# Allegro board reComputer J401_V1.0.brd (continued)
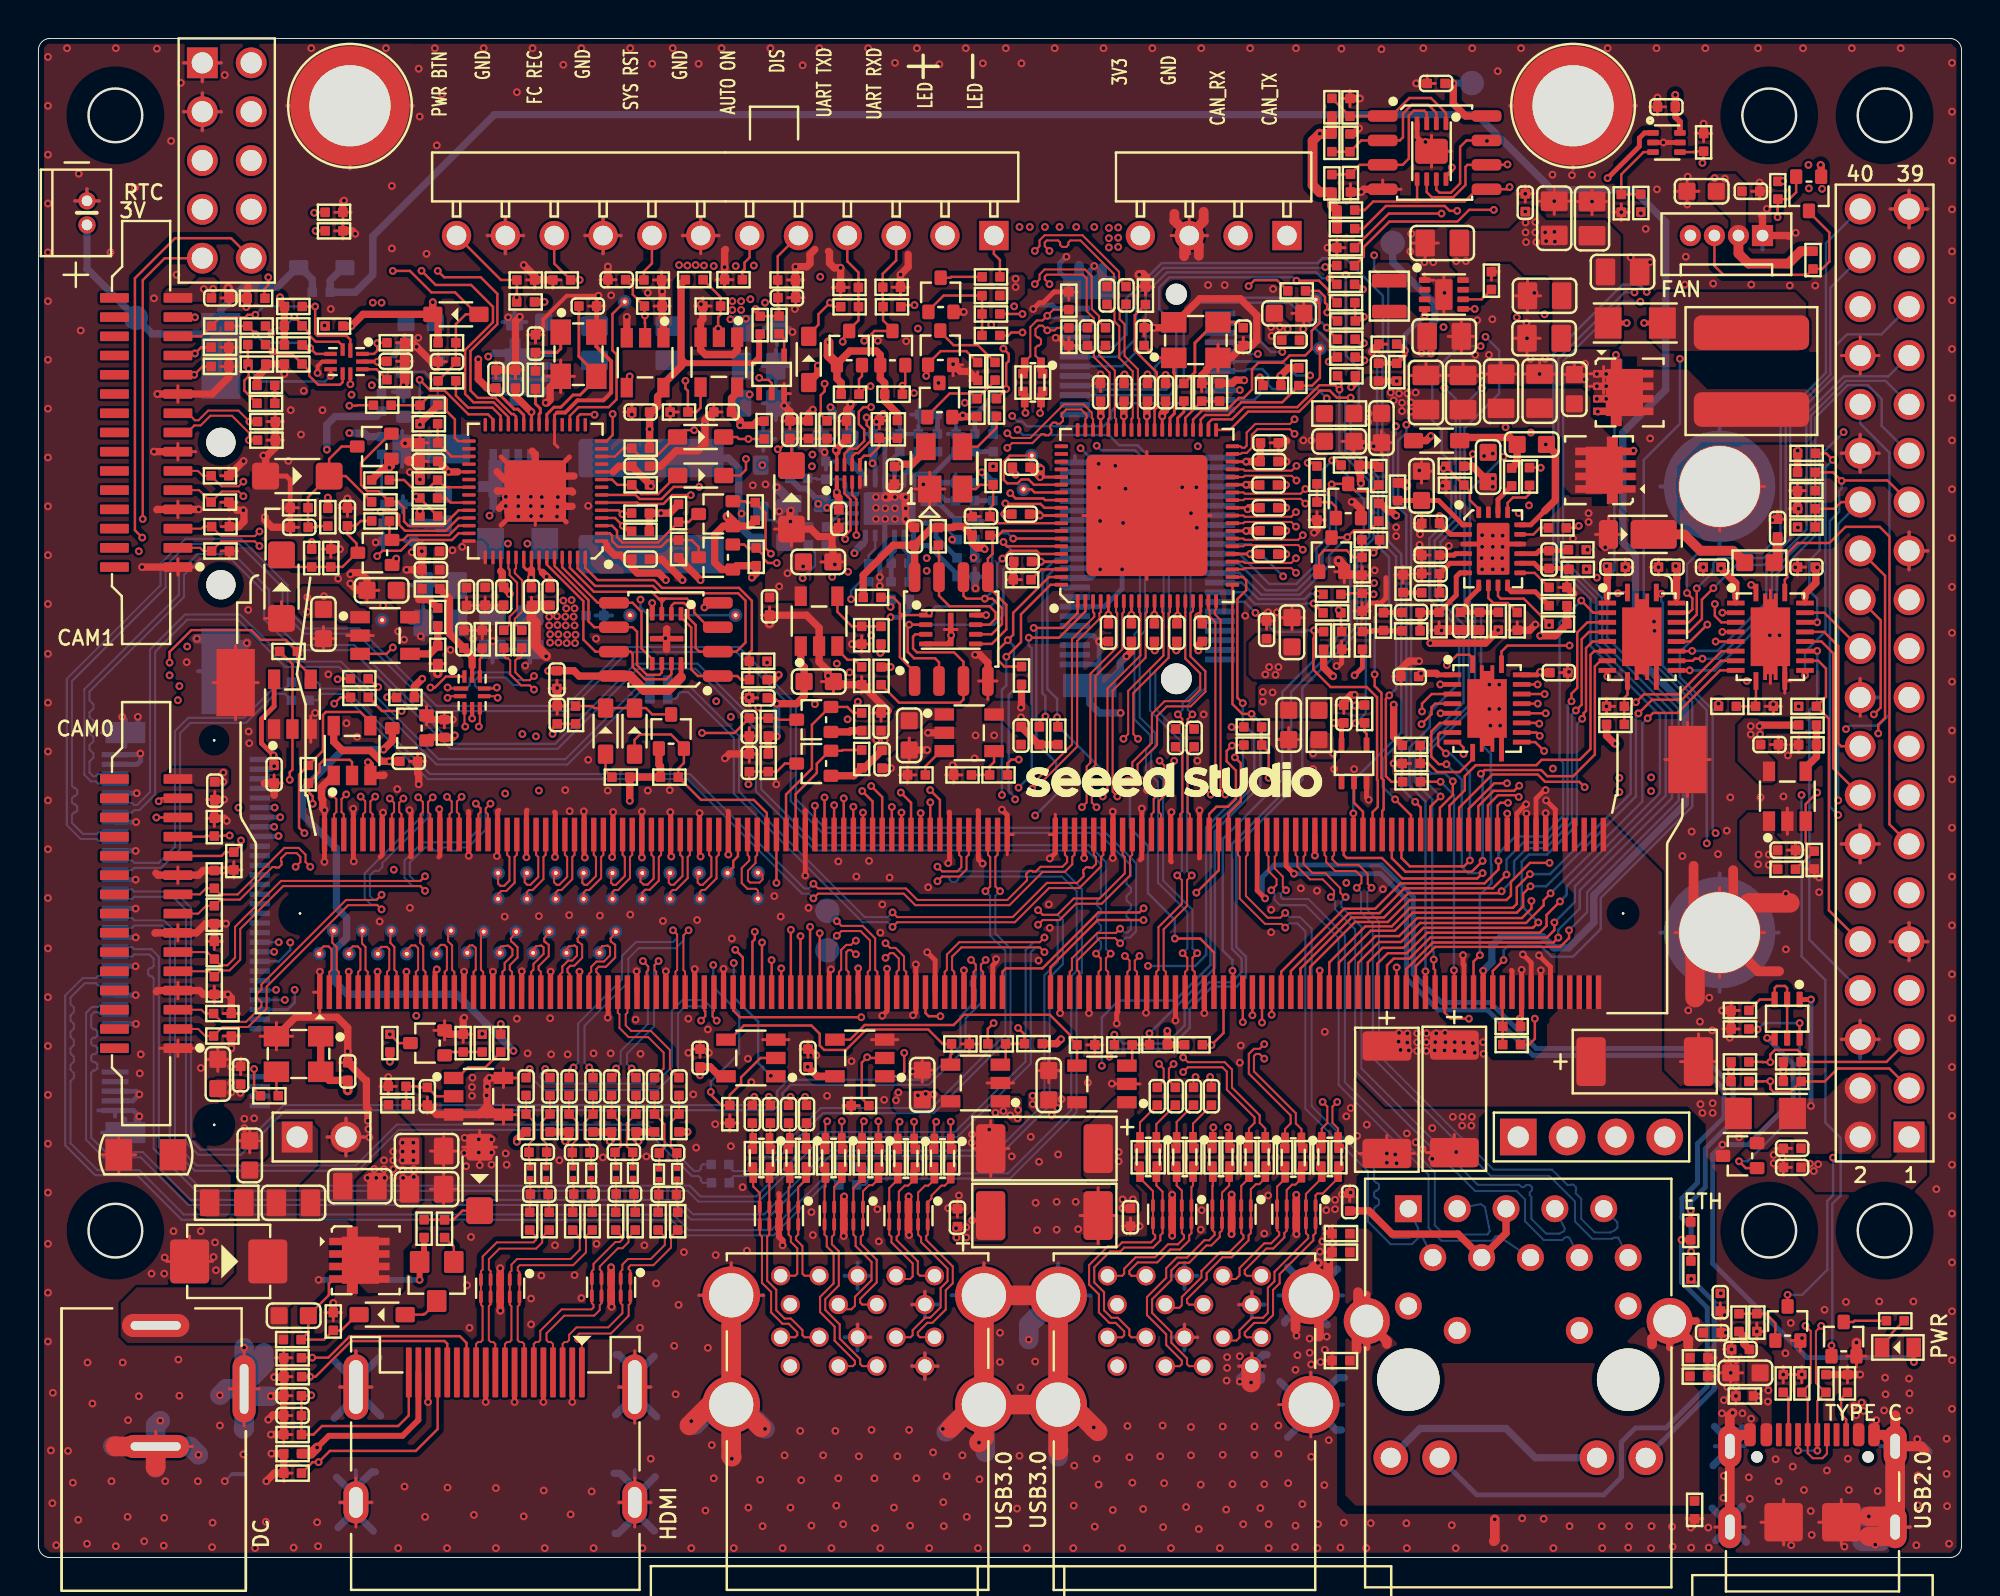
[diagram p0: board, top side]
## Routing (per net, layer and track width the routed paths; a pad name or vN(x,y) marks a point on that pad's centre or on a via; arc(x,y) is an arc through that point) (continued)
HDMI_HPD_CON: length 36.8
  TOP w0.127: v1(14.19,8.44) 14.16,8.41 C4.1 C2.1 D4.2 14.3,6.4 14.74,6.84 18.71,6.84 19.26,7.39 J5.19
  LAY3 w0.127: v1(14.19,8.44) 14.67,8.92 14.67,10.85 13.5,12.02 13.5,14.25 14.16,14.92 18.58,14.92 21.63,17.96 21.63,25.76 23.08,27.21 v1(23.08,27.24)
HDMI_TX0_N: length 14.6
  TOP w0.102: v1(27.83,25.49) 27.69,25.49 27.59,25.39 C52.1 ; v1(32.99,32.62) 33.21,32.4 33.21,30.55 33.12,30.47 J11.75
  BOTTOM w0.102: v1(27.83,25.49) 28.07,25.73 28.07,27.79 30.34,30.06 30.34,31.28 31.07,32.01 33,32.01 33.21,32.22 33.21,32.4 v1(32.99,32.62)
HDMI_TX0_P: length 14.6
  TOP w0.102: v1(28.64,25.49) 28.74,25.49 28.84,25.39 C53.1 ; J11.77 33.63,30.47 33.54,30.55 33.54,32.35 v1(33.81,32.62)
  BOTTOM w0.102: v1(33.81,32.62) 33.54,32.35 33.54,32.08 33.14,31.69 31.21,31.69 30.67,31.15 30.67,29.93 28.39,27.65 28.39,25.73 v1(28.64,25.49)
HDMI_TX1_N: length 8.8
  TOP w0.102: v1(31.43,31.02) 31.71,30.74 31.71,30.55 31.62,30.47 J11.69 ; v1(30.03,25.43) 30.03,25.08 29.92,24.96 C57.1
  BOTTOM w0.102: v1(30.03,25.43) 30.28,25.68 30.28,26.34 31.69,27.75 31.69,30.77 v1(31.43,31.02)
HDMI_TX1_P: length 8.7
  TOP w0.102: C56.1 30.99,24.96 30.85,25.1 v1(30.85,25.43) ; J11.71 32.12,30.47 32.04,30.55 32.04,30.81 v1(32.24,31.02)
  BOTTOM w0.102: v1(30.85,25.43) 30.6,25.68 30.6,26.2 32.01,27.61 32.01,30.79 v1(32.24,31.02)
HDMI_TX2_N: length 6.2
  TOP w0.102: J11.63 30.12,28.33 30.21,28.25 30.21,27.54 30.69,27.06 31.71,27.06 32.51,26.26 32.51,25.43 C54.1
HDMI_TX2_P: length 6.2
  TOP w0.102: J11.65 30.62,28.33 30.54,28.25 30.54,27.67 30.82,27.39 31.84,27.39 32.83,26.4 32.83,25.43 C55.1
HDMI_TXC_CON_LC_N: length 4.1
  TOP w0.102: L20.1 25.57,20.59 25.5,20.65 C36.2 25.5,21.51 25.8,21.81 25.8,22.61 R58.2 C51.2
HDMI_TXC_CON_LC_P: length 4.1
  TOP w0.102: C50.2 R57.2 26.58,23.06 26.13,22.61 26.13,21.81 26.43,21.51 C36.1 26.43,20.65 26.4,20.63 L19.1
HDMI_TXC_CON_N: length 10.1
  TOP w0.102: J5.12 22.76,11.1 22.86,11.21 22.99,11.21 23.09,11.31 23.09,13.07 23.01,13.15 U1.6 U1.5 23.01,14.89 23.1,14.98 23.1,15.65 23.83,16.39 25.74,16.39 25.87,16.52 25.87,16.7 R16.2
HDMI_TXC_CON_P: length 10.1
  TOP w0.102: R15.2 26.19,16.66 26.19,16.38 25.88,16.07 23.97,16.07 23.42,15.52 23.42,14.98 23.51,14.89 U1.4 U1.7 23.51,13.17 23.42,13.08 23.42,11.31 23.52,11.21 23.66,11.21 23.76,11.1 J5.10
HDMI_TXC_CON_R_N: length 1.8
  TOP w0.102: L20.2 25.57,19.34 25.58,19.32 C16.2 25.58,18.42 25.54,18.38 R16.1
HDMI_TXC_CON_R_P: length 1.8
  TOP w0.102: L19.2 26.4,19 C16.1 26.51,18.44 26.56,18.38 R15.1
HDMI_TXC_N: length 16.2
  TOP w0.102: v1(34.45,27.92) 34.67,28.14 34.67,28.39 34.63,28.44 J11.81 ; v1(25.54,25.41) 25.54,25.14 C51.1
  BOTTOM w0.102: v1(34.45,27.92) 34.7,28.17 34.7,28.44 34.48,28.66 33.62,28.66 33.26,28.3 33.26,25.38 32.2,24.32 26.27,24.32 25.78,24.81 25.78,25.16 v1(25.54,25.41)
HDMI_TXC_P: length 16.2
  TOP w0.102: J11.83 35.12,28.44 35.06,28.38 35.06,28.13 v1(35.27,27.92) ; v1(26.35,25.41) 26.35,25.21 C50.1
  BOTTOM w0.102: v1(26.35,25.41) 26.11,25.16 26.11,24.94 26.4,24.65 32.07,24.65 32.94,25.51 32.94,28.43 33.49,28.99 34.61,28.99 35.02,28.58 35.02,28.17 v1(35.27,27.92)
HDMI_TXD0_CON_LC_N: length 4.1
  TOP w0.102: L21.1 27.8,20.59 27.76,20.63 C34.2 27.76,21.49 28.06,21.79 28.06,22.61 27.61,23.06 R59.2 C52.2
HDMI_TXD0_CON_LC_P: length 4.1
  TOP w0.102: C53.2 R60.2 28.83,23.06 28.38,22.61 28.38,21.79 28.68,21.49 C34.1 28.74,21 L22.1
HDMI_TXD0_CON_N: length 10.9
  TOP w0.102: R17.2 28.15,16.66 28.15,16 27.67,15.53 24.89,15.53 24.6,15.23 24.6,14.92 24.51,14.83 U1.2 U1.9 24.51,13.15 24.59,13.07 24.59,11.31 24.49,11.21 24.36,11.21 24.26,11.1 J5.9
HDMI_TXD0_CON_P: length 10.9
  TOP w0.102: R18.2 28.47,16.71 28.47,15.87 27.81,15.2 25.02,15.2 24.92,15.1 24.92,14.93 25.01,14.84 U1.1 U1.10 25.01,13.14 24.92,13.05 24.92,11.31 25.02,11.21 25.16,11.21 25.26,11.1 J5.7
HDMI_TXD0_CON_R_N: length 1.8
  TOP w0.102: R17.1 27.78,18.42 27.83,18.48 C17.2 27.83,19.36 27.8,19.39 L21.2
HDMI_TXD0_CON_R_P: length 1.8
  TOP w0.102: R18.1 28.79,18.44 28.76,18.48 C17.1 28.76,19.37 28.74,19.39 L22.2
HDMI_TXD1_CON_LC_N: length 4.1
  TOP w0.102: L18.1 30.04,20.58 29.98,20.64 C33.2 30.27,21.36 30.27,22.6 R64.2 C57.2
HDMI_TXD1_CON_LC_P: length 4.1
  TOP w0.102: L17.1 30.91,20.59 30.9,20.59 C33.1 30.59,21.38 30.59,22.58 R63.2 C56.2
HDMI_TXD1_CON_N: length 10.6
  TOP w0.102: R22.2 30.36,16.68 30.36,16.54 30.23,16.41 30,16.41 28.86,15.27 28.86,14.98 28.78,14.89 U2.5 U2.6 28.78,13.23 28.86,13.14 28.86,13.01 28.76,12.91 27.21,12.91 26.09,11.79 26.09,11.31 25.99,11.21 25.86,11.21 25.76,11.1 J5.6
HDMI_TXD1_CON_P: length 10.6
  TOP w0.102: R21.2 31.03,17 30.68,16.66 30.68,16.4 30.37,16.09 30.14,16.09 29.19,15.14 29.19,14.98 29.28,14.89 U2.4 U2.7 29.28,13.22 29.19,13.13 29.19,12.87 28.9,12.58 27.34,12.58 26.42,11.66 26.42,11.31 26.52,11.21 26.66,11.21 26.76,11.1 J5.4
HDMI_TXD1_CON_R_N: length 1.8
  TOP w0.102: L18.2 30.04,19.34 30.04,19.33 C15.2 30.04,18.41 30.01,18.38 R22.1
HDMI_TXD1_CON_R_P: length 1.8
  TOP w0.102: R21.1 31.03,18.38 30.97,18.45 C15.1 30.97,19.33 30.91,19.39 L17.2
HDMI_TXD2_CON_LC_N: length 4.2
  TOP w0.102: L23.1 32.27,20.53 32.28,20.54 C35.2 32.55,21.32 32.55,21.73 32.55,21.74 32.55,22.55 R61.2 C54.2
HDMI_TXD2_CON_LC_P: length 4.1
  TOP w0.102: C35.1 33.2,20.56 33.21,20.56 L24.1 ; C35.1 33.18,21.04 ; C35.1 32.88,21.36 32.88,21.84 32.88,21.84 32.88,22.63 R62.2 C55.2
HDMI_TXD2_CON_N: length 11.6
  TOP w0.102: J5.3 27.26,11.1 27.36,11.21 27.49,11.21 27.59,11.31 27.59,11.59 27.98,11.97 29.63,11.97 30.37,12.71 30.37,13.14 30.28,13.23 U2.9 U2.2 30.28,14.88 30.36,14.97 30.36,15.23 30.66,15.53 31.84,15.53 32.57,16.26 32.57,16.68 R19.2
HDMI_TXD2_CON_P: length 11.6
  TOP w0.102: R20.2 32.89,16.68 32.89,16.12 31.98,15.2 30.79,15.2 30.69,15.1 30.69,15 30.78,14.91 U2.1 U2.10 30.78,13.22 30.69,13.13 30.69,12.57 29.76,11.65 28.11,11.65 27.92,11.45 27.92,11.31 28.02,11.21 28.16,11.21 28.26,11.1 J5.1
HDMI_TXD2_CON_R_N: length 1.7
  TOP w0.102: R19.1 32.22,18.38 32.25,18.41 C18.2 32.25,19.31 32.27,19.33 L23.2
HDMI_TXD2_CON_R_P: length 1.8
  TOP w0.102: L24.2 33.21,19.34 33.18,19.31 C18.1 33.18,18.44 33.24,18.38 R20.1
HUB_HSD1_N: length 37.6
  TOP w0.107: v1(42.92,22.69) 42.83,22.6 L10.4 42.78,21.66 R28.1 ; v1(56.1,39.58) 55.86,39.82 55.86,45.08 57.57,46.8 57.57,49.1 57.64,49.17 U28.10
  LAY3 w0.084: v1(56.1,39.58) 55.84,39.84 55.84,40.32 55.59,40.57 54.24,40.57 53.62,39.95 53.62,38.43 50.58,35.38 50.58,31.27 43.16,23.85 43.16,22.93 v1(42.92,22.69)
HUB_HSD1_P: length 37.5
  TOP w0.107: v1(55.34,39.58) 55.59,39.82 55.59,45.19 57.3,46.91 57.3,49.1 57.24,49.17 U28.9 ; v1(43.68,22.69) L10.1 43.72,21.66 R40.1
  LAY3 w0.084: v1(55.34,39.58) 55.6,39.84 55.6,40.23 55.49,40.33 55.07,40.33 54.99,40.25 54.99,40.17 54.9,40.09 54.74,40.09 54.65,40.17 54.65,40.25 54.57,40.33 54.34,40.33 53.86,39.86 53.86,38.33 50.81,35.28 50.81,31.17 44.98,25.34 44.98,25.22 44.99,25.22 44.99,25.1 44.87,24.98 44.75,24.98 44.74,24.99 44.63,24.99 44.51,24.87 44.51,24.75 44.52,24.74 44.52,24.62 44.4,24.5 44.28,24.5 44.27,24.51 44.15,24.51 43.4,23.76 43.4,22.97 v1(43.68,22.69)
HUB_HSD2_N: length 44.6
  TOP w0.107: v1(41.02,22.69) 40.92,22.6 L9.4 40.88,21.66 R27.1 ; U28.19 61.24,49.32 61.17,49.25 61.17,49.06 61.47,48.76 61.47,39.93 v1(61.71,39.68)
  LAY3 w0.084: v1(41.02,22.69) 41.28,22.95 41.28,23.39 47.5,29.62 47.5,33.76 52.86,39.12 52.86,40.49 53.64,41.26 57.48,41.26 58.02,40.73 61.12,40.73 61.45,40.39 61.45,39.94 v1(61.71,39.68)
HUB_HSD2_P: length 44.6
  TOP w0.107: U28.18 60.84,49.34 60.9,49.28 60.9,48.95 61.2,48.65 61.2,39.93 v1(60.96,39.68) ; v1(41.77,22.69) L9.1 41.82,21.66 R39.1
  LAY3 w0.084: v1(60.96,39.68) 61.22,39.94 61.22,40.3 61.02,40.49 60.67,40.49 60.59,40.41 60.59,40.38 60.5,40.29 60.34,40.29 60.25,40.38 60.25,40.41 60.17,40.49 60,40.49 59.92,40.41 59.92,40.38 59.83,40.29 59.66,40.29 59.58,40.38 59.58,40.41 59.5,40.49 57.92,40.49 57.39,41.03 53.73,41.03 53.1,40.39 53.1,39.02 47.74,33.66 47.74,29.52 42.09,23.87 42.09,23.76 42.16,23.68 42.16,23.56 42.04,23.45 41.92,23.45 41.85,23.52 41.73,23.52 41.51,23.3 41.51,22.95 v1(41.77,22.69)
HUB_HSD3_N: length 41.1
  TOP w0.107: v1(59.52,25.25) 59.77,25.49 61.57,25.49 61.8,25.27 61.8,24.33 63.24,22.89 63.24,22.6 62.95,22.31 L15.4 62.95,21.32 R46.1 ; U28.23 62.66,51.79 62.73,51.73 65.15,51.73 v1(65.39,51.97)
  LAY3 w0.084: v1(59.52,25.25) 59.78,25.51 60.04,25.51 60.27,25.74 60.27,26.95 60.06,27.16 60.06,29.88 60.92,30.74 60.92,35.24 65.9,40.22 65.9,50.14 66.36,50.6 66.36,51.32 65.98,51.7 65.66,51.7 v1(65.39,51.97)
HUB_HSD3_P: length 41
  TOP w0.107: v1(59.52,26.01) 59.77,25.76 61.68,25.76 62.06,25.38 62.06,24.44 63.5,23 63.5,22.6 63.79,22.31 L15.1 63.79,21.33 R52.1 ; U28.22 62.66,51.39 62.73,51.46 65.15,51.46 v1(65.39,51.21)
  LAY3 w0.084: v1(59.52,26.01) 59.78,25.75 59.94,25.75 60.03,25.84 60.03,26.85 59.82,27.06 59.82,29.98 60.69,30.84 60.69,35.34 65.66,40.31 65.66,42.41 65.52,42.56 65.52,42.75 65.66,42.89 65.66,43.08 65.52,43.23 65.52,43.42 65.66,43.56 65.66,50.24 66.12,50.7 66.12,51.22 65.88,51.46 65.64,51.46 v1(65.39,51.21)
HUB_HSD4_N: length 57.2
  TOP w0.107: v1(65.32,59.19) 65.07,58.95 63.27,58.95 62.83,58.5 62.83,57.82 62.72,57.72 62.57,57.72 62.5,57.79 U28.38 ; v1(61.09,22.37) 61.09,22.34 61.07,22.31 L14.4 61.07,21.32 R45.1
  LAY3 w0.084: v1(65.32,59.19) 65.58,58.93 66.76,58.93 71.22,54.48 71.22,46.02 72.53,44.71 72.53,32.19 73.21,31.51 73.21,30.61 69.11,26.51 69.11,23.1 66.75,20.74 62.1,20.74 61.32,21.52 61.32,22.15 v1(61.09,22.37)
HUB_HSD4_P: length 57.1
  TOP w0.107: v1(65.32,58.44) 65.07,58.68 63.39,58.68 63.1,58.39 63.1,57.71 62.83,57.45 62.58,57.45 62.52,57.39 U28.37 ; v1(61.85,22.37) 61.92,22.31 L14.1 61.92,21.33 R51.1
  LAY3 w0.084: v1(61.85,22.37) 61.56,22.08 61.56,21.62 62.2,20.98 62.48,20.98 62.56,21.06 62.56,21.16 62.64,21.24 62.81,21.24 62.9,21.16 62.9,21.06 62.98,20.98 66.65,20.98 68.87,23.2 68.87,26.61 72.97,30.71 72.97,31.41 72.29,32.09 72.29,44.61 70.98,45.93 70.98,54.38 68.18,57.18 68.07,57.18 68.03,57.15 67.92,57.15 67.8,57.27 67.8,57.39 67.83,57.42 67.83,57.54 67.71,57.65 67.59,57.65 67.56,57.62 67.44,57.62 67.32,57.74 67.32,57.86 67.35,57.89 67.35,58.01 67.23,58.13 67.12,58.13 67.08,58.1 66.97,58.1 66.85,58.22 66.85,58.33 66.88,58.37 66.88,58.49 66.67,58.7 65.58,58.7 v1(65.32,58.44)
HUB_RESET: length 7.3
  TOP w0.127: U31.2 48.74,55.57 48.96,55.79 R151.2 49.64,54.74 49.48,54.58 C113.1 49.82,53.79 U28.68
HUB_REXT: length 7.3
  TOP w0.127: U28.47 58.04,59.68 58.15,59.8 58.15,61.63 57.01,62.77 57.01,64.61 R225.1
HUB_SPI_CLK: length 12.8
  TOP w0.127: U28.70 v1(50.69,52.99) ; U25.6 49.57,48.01 50.1,48.55 50.1,49.37 49.61,49.87 v1(49.21,49.87) 48.25,49.87 48.1,50.02 U26.6 48.15,51.03
  BOTTOM w0.127: v1(50.69,52.99) 50.41,53.27 49.97,53.27 49.59,52.89 49.59,50.25 v1(49.21,49.87)
HUB_SPI_CS: length 16.4
  TOP w0.127: U28.72 52.07,52.19 51.91,52.36 50.53,52.36 v1(50.13,51.95) ; 44.79,48.88 44.79,49.13 ; 44.79,48.88 44.93,49.01 ; 44.79,48.88 44.79,46.83 45.56,46.06 U26.1 ; 44.79,49.13 44.79,49.59 44.45,49.93 R127.2 ; 44.79,49.13 44.91,49.01 44.93,49.01 ; 44.93,49.01 U25.1
  BOTTOM w0.127: v1(46.32,49.13) 46.65,49.46 49.49,49.46 49.85,49.82 49.85,51.67 v1(50.13,51.95)
HUB_SPI_HOLD: length 7.4
  TOP w0.127: U25.7 49.46,48.51 49.77,48.83 49.77,49.15 49.45,49.47 47.38,49.47 46.83,50.02 U26.7 46.83,52.17 46.79,52.2 R134.2
HUB_SPI_SI: length 11.2
  TOP w0.127: U28.69 50.15,53.39 49.92,53.16 R135.2 49.62,53.02 49.62,52.2 49.37,51.95 U26.5 49.37,50.51 50.33,49.55 50.33,48.27 49.57,47.51 U25.5
HUB_SPI_SO: length 17.5
  TOP w0.127: U26.2 46.83,46.56 46.62,46.77 45.53,46.77 45.2,47.1 45.2,48.44 v1(45.27,48.51) U25.2 ; v1(50.18,52.81) 50.18,52.76 50.35,52.59 U28.71
  BOTTOM w0.127: v1(50.18,52.81) 50.61,52.38 50.61,51.82 50.18,51.39 50.18,49 49.69,48.51 v1(45.27,48.51)
HUB_SPI_WP: length 10.9
  TOP w0.127: U25.3 45.6,48.01 45.48,47.89 45.48,47.28 45.68,47.07 47.61,47.07 48.1,46.59 U26.3 48.1,44.62 47.94,44.46 44.75,44.46 R113.2
HUB_SSRX1_N: length 33.4
  TOP w0.107: v1(55.02,39.02) 54.77,39.27 54.77,41.03 54.97,41.22 54.97,45.84 56.36,47.24 56.36,49.1 56.44,49.17 U28.7 ; v1(45.53,22.66) L1.1 45.6,21.61 R30.1
  LAY3 w0.084: v1(45.53,22.66) 45.3,22.9 45.3,24.21 51.52,30.44 51.52,34.39 54.76,37.63 54.76,38.76 v1(55.02,39.02)
HUB_SSRX1_P: length 33.5
  TOP w0.107: U28.6 56.04,49.17 56.1,49.11 56.1,47.35 54.7,45.96 54.7,41.33 54.51,41.14 54.51,39.27 v1(54.26,39.02) ; R29.1 44.66,21.66 L1.4 44.68,22.57 v1(44.77,22.66)
  LAY3 w0.084: v1(54.26,39.02) 54.52,38.76 54.52,37.73 51.29,34.49 51.29,30.53 45.06,24.31 45.06,22.95 v1(44.77,22.66)
HUB_SSRX2_N: length 35.6
  TOP w0.107: v1(57.4,40.41) 57.15,40.66 57.15,41.25 58.17,42.26 58.17,43.76 58.67,44.26 59.92,44.26 60.68,45.03 60.68,46.09 59.91,46.87 59.91,49.11 60.04,49.24 U28.16 ; R34.1 47.49,21.63 L2.1 v1(47.44,22.66)
  LAY3 w0.084: v1(47.44,22.66) 47.14,22.96 47.14,24.27 53.28,30.41 53.28,32.78 56.59,36.08 56.59,39.18 57.14,39.73 57.14,40.15 v1(57.4,40.41)
HUB_SSRX2_P: length 35.5
  TOP w0.107: R33.1 46.55,21.64 L2.4 46.59,22.57 v1(46.68,22.66) ; U28.15 59.64,49.15 59.64,49.15 59.64,46.76 60.41,45.98 60.41,45.14 59.8,44.53 58.56,44.53 57.9,43.87 57.9,42.37 56.88,41.36 56.88,40.66 v1(56.64,40.41)
  LAY3 w0.084: v1(56.64,40.41) 56.9,40.15 56.9,39.83 56.35,39.28 56.35,36.18 53.05,32.87 53.05,30.51 46.9,24.37 46.9,22.88 v1(46.68,22.66)
HUB_SSRX3_N: length 43.9
  TOP w0.107: v1(65.39,54.37) 65.15,54.13 62.73,54.13 62.66,54.19 U28.29 ; v1(63.74,25.94) 63.5,26.19 63.31,26.19 63.21,26.08 63.21,25.28 65.38,23.1 65.38,22.57 65.67,22.28 L11.1 65.75,21.66 R53.1
  LAY3 w0.084: v1(65.39,54.37) 65.65,54.11 66.51,54.11 68.21,52.41 68.21,46.18 68.03,46.01 68.03,40.24 62.55,34.76 62.55,32.08 64.71,29.92 64.71,26.63 64.29,26.2 64,26.2 v1(63.74,25.94)
HUB_SSRX3_P: length 43.7
  TOP w0.107: R47.1 64.81,21.71 L11.4 64.82,22.28 65.11,22.57 65.11,22.99 62.94,25.17 62.94,26.19 63.2,26.46 63.5,26.46 v1(63.74,26.7) ; U28.28 62.66,53.79 62.73,53.86 65.15,53.86 v1(65.39,53.61)
  LAY3 w0.084: v1(63.74,26.7) 64,26.44 64.19,26.44 64.48,26.73 64.48,29.82 62.32,31.98 62.32,34.86 67.8,40.34 67.8,46.1 67.97,46.28 67.97,52.31 67.51,52.78 67.31,52.78 67.17,52.92 67.17,53.12 67.03,53.25 66.83,53.25 66.69,53.39 66.69,53.59 66.41,53.87 65.65,53.87 v1(65.39,53.61)
HUB_SSRX4_N: length 44.4
  TOP w0.107: v1(65.42,56.77) 65.17,56.53 62.73,56.53 62.66,56.59 U28.35 ; R54.1 67.63,21.71 L16.1 67.58,22.31 67.29,22.6 67.29,23.45 v1(67.53,23.69)
  LAY3 w0.084: v1(65.42,56.77) 65.68,56.51 67.56,56.51 70.07,54.01 70.07,45.85 71.21,44.71 71.21,30.33 67.27,26.39 67.27,23.95 v1(67.53,23.69)
HUB_SSRX4_P: length 44.3
  TOP w0.107: v1(65.42,56.01) 65.17,56.26 62.73,56.26 62.66,56.19 U28.34 ; R48.1 66.69,21.71 L16.4 66.73,22.31 67.02,22.6 67.02,23.45 v1(66.78,23.69)
  LAY3 w0.084: v1(65.42,56.01) 65.68,56.27 66.06,56.27 66.14,56.19 66.14,56.12 66.23,56.04 66.39,56.04 66.48,56.12 66.48,56.19 66.56,56.27 67.47,56.27 69.83,53.91 69.83,45.76 70.97,44.61 70.97,30.43 67.04,26.49 67.04,23.95 v1(66.78,23.69)
HUB_SSTX1_C_N: length 1.4
  TOP w0.107: C30.2 39.92,22.57 L8.1 39.93,21.69 R41.1
HUB_SSTX1_C_P: length 1.4
  TOP w0.107: C29.2 39.07,22.53 L8.4 38.99,21.63 R42.1
HUB_SSTX1_N: length 35.5
  TOP w0.107: U28.4 55.24,49.17 55.17,49.1 55.17,48.82 54.01,47.66 54.01,42.17 52.2,40.36 52.2,40.21 v1(52.43,39.98) ; C30.1 39.94,23.52 39.86,23.6 v1(39.86,23.96)
  LAY3 w0.084: v1(52.43,39.98) 52.15,39.71 52.15,39.52 51.93,39.3 51.7,39.3 46.93,34.53 46.93,30.08 45.5,28.65 41.87,28.65 39.34,26.12 39.34,24.87 39.6,24.61 39.6,24.22 v1(39.86,23.96)
HUB_SSTX1_P: length 35.5
  TOP w0.107: v1(51.67,39.98) 51.93,40.24 51.93,40.47 53.74,42.28 53.74,47.77 54.9,48.93 54.9,49.1 54.84,49.17 U28.3 ; C29.1 39.01,23.53 39.11,23.63 v1(39.11,23.96)
  LAY3 w0.084: v1(39.11,23.96) 39.37,24.22 39.37,24.51 39.1,24.77 39.1,26.22 41.77,28.89 45.4,28.89 46.7,30.18 46.7,34.63 51.6,39.53 51.83,39.53 51.92,39.62 51.92,39.74 v1(51.67,39.98)
HUB_SSTX2_C_N: length 1.4
  TOP w0.107: C28.2 38.06,21.75 L7.1 38.07,21.65 R32.1
HUB_SSTX2_C_P: length 1.4
  TOP w0.107: R31.1 37.13,21.67 L7.4 37.12,21.75 C27.2
HUB_SSTX2_N: length 42.2
  TOP w0.107: v1(37.98,23.96) 37.98,23.6 C28.1 ; U28.13 58.84,49.17 58.77,49.1 58.77,48.41 58.77,48.39 58.77,46.79 56.93,44.96 56.93,42.82 v1(57.18,42.58)
  LAY3 w0.084: v1(37.98,23.96) 37.72,24.22 37.72,28.39 38.77,29.45 44.59,29.45 45.05,29.91 45.05,30.92 45.79,31.66 45.79,35.55 46.74,36.5 47.61,36.5 49.69,38.58 49.69,39.84 50.36,40.51 51.62,40.51 52.84,41.73 56.68,41.73 56.92,41.97 56.92,42.32 v1(57.18,42.58)
HUB_SSTX2_P: length 42.2
  TOP w0.107: U28.12 58.44,49.17 58.5,49.11 58.5,48.48 58.5,48.39 58.5,46.9 56.66,45.07 56.66,42.82 v1(56.42,42.58) ; C27.1 37.12,23.53 37.22,23.63 v1(37.22,23.96)
  LAY3 w0.084: v1(56.42,42.58) 56.68,42.32 56.68,42.07 56.58,41.97 52.74,41.97 51.52,40.75 50.27,40.75 49.45,39.93 49.45,38.68 47.51,36.74 46.65,36.74 45.55,35.64 45.55,31.76 44.82,31.02 44.82,30 44.5,29.68 38.67,29.68 37.48,28.49 37.48,24.22 v1(37.22,23.96)
HUB_SSTX3_C_N: length 2.7
  TOP w0.107: C42.2 60.04,22.57 L13.1 60.04,21.33 R50.1
HUB_SSTX3_C_P: length 2.6
  TOP w0.107: C41.2 59.19,22.65 L13.4 59.19,21.32 R44.1
HUB_SSTX3_N: length 36.1
  TOP w0.107: C42.1 61,24.88 60.93,24.95 v1(60.93,24.99) ; v1(65.75,53.17) 65.5,52.93 62.73,52.93 62.66,52.99 U28.26
  LAY3 w0.084: v1(65.75,53.17) 66.01,52.91 66.29,52.91 67.22,51.98 67.22,49.94 66.94,49.66 66.94,40.19 61.67,34.91 61.67,26.35 60.67,25.36 60.67,25.25 v1(60.93,24.99)
HUB_SSTX3_P: length 36
  TOP w0.107: U28.25 62.66,52.59 62.73,52.66 65.5,52.66 v1(65.75,52.41) ; C41.1 60.06,24.88 v1(60.17,24.99)
  LAY3 w0.084: v1(60.17,24.99) 60.43,25.25 60.43,25.45 61.43,26.45 61.43,35.01 66.7,40.29 66.7,49.76 66.98,50.04 66.98,51.88 66.78,52.08 66.66,52.08 66.63,52.05 66.51,52.05 66.39,52.17 66.39,52.29 66.42,52.32 66.42,52.44 66.19,52.67 66.01,52.67 v1(65.75,52.41)
HUB_SSTX4_C_N: length 2.7
  TOP w0.107: C40.2 58.13,22.54 L12.1 58.13,21.33 R49.1
HUB_SSTX4_C_P: length 2.6
  TOP w0.107: C39.2 57.28,22.63 L12.4 57.28,21.32 R43.1
HUB_SSTX4_N: length 52.8
  TOP w0.107: U28.32 62.66,55.39 62.72,55.33 63.33,55.33 63.42,55.33 65.64,55.33 v1(65.88,55.57) ; C40.1 58.78,24.79 58.78,25.42 v1(59.03,25.67)
  LAY3 w0.084: v1(59.03,25.67) 58.77,25.93 58.77,26.18 58.54,26.4 57.64,26.4 57.33,26.09 57.33,24.85 58.05,24.13 63.36,24.13 65.45,26.22 65.45,30.3 63.37,32.38 63.37,34.58 69.07,40.29 69.07,53.55 67.32,55.31 66.14,55.31 v1(65.88,55.57)
HUB_SSTX4_P: length 52.7
  TOP w0.107: C39.1 58.51,24.79 58.51,25.42 v1(58.27,25.67) ; U28.31 62.66,54.99 62.73,55.06 63.33,55.06 63.42,55.06 65.64,55.06 v1(65.88,54.81)
  LAY3 w0.084: v1(65.88,54.81) 66.14,55.07 67.22,55.07 67.5,54.79 67.5,54.67 67.45,54.63 67.45,54.51 67.57,54.39 67.69,54.39 67.74,54.44 67.85,54.44 68.84,53.45 68.84,53.09 68.75,53.01 68.65,53.01 68.57,52.93 68.57,52.76 68.65,52.67 68.75,52.67 68.84,52.59 68.84,40.39 63.13,34.68 63.13,32.29 65.21,30.2 65.21,26.32 63.26,24.37 61.62,24.37 61.53,24.45 61.53,24.51 61.45,24.59 61.28,24.59 61.2,24.51 61.2,24.45 61.11,24.37 60.95,24.37 60.86,24.45 60.86,24.51 60.78,24.59 60.61,24.59 60.53,24.51 60.53,24.45 60.44,24.37 60.27,24.37 60.19,24.45 60.19,24.51 60.11,24.59 59.94,24.59 59.86,24.51 59.86,24.45 59.77,24.37 59.6,24.37 59.52,24.45 59.52,24.51 59.44,24.59 59.27,24.59 59.19,24.51 59.19,24.45 59.1,24.37 58.93,24.37 58.85,24.45 58.85,24.51 58.77,24.59 58.6,24.59 58.51,24.51 58.51,24.45 58.43,24.37 58.15,24.37 57.57,24.95 57.57,25.99 57.74,26.16 58.45,26.16 58.53,26.08 58.53,25.93 v1(58.27,25.67)
HUB_TEST: length 1.8
  TOP w0.127: U28.74 52.15,51.39 R129.1
HUB_USBOC0: length 9.2
  TOP w0.127: TP38.1 66.63,61.35 66.23,60.94 R187.2 64.68,60.08 62.55,60.08 61.89,59.42 60.67,59.42 60.44,59.18 U28.41
HUB_USBOC1: length 28.5
  TOP w0.127: v1(50.94,27.54) 51.27,27.21 R78.2 50.83,26.72 50.82,26.71 R76.1 50.29,25.91 U14.3 ; U28.1 54.04,49.13 53.25,48.34 v1(51.75,48.34)
  LAY4 w0.127: v1(51.83,38.59) 51.24,38.01 51.24,27.85 v1(50.94,27.54)
  BOTTOM w0.127: v1(51.83,38.59) 52.92,39.68 52.92,41.33 51.89,42.36 51.89,48.22 51.76,48.34 v1(51.75,48.34)
HUB_USBOC2: length 29.4
  TOP w0.127: v1(49.67,27.79) 49.36,27.49 49.36,27.16 49.37,27.15 R76.2 ; R115.2 50.23,46.33 49.9,46.67 49.9,47.2 v1(50.41,47.71) 50.68,47.99 50.68,49.13 52.54,50.99 U28.75
  LAY4 w0.127: v1(50.79,39.43) 50.79,39.03 50.74,38.99 50.74,28.87 v1(49.67,27.79)
  BOTTOM w0.127: v1(50.41,47.71) 50.72,47.39 50.72,45.13 50.46,44.86 50.46,39.86 50.79,39.53 v1(50.79,39.43)
HUB_USBOC3: length 29.3
  TOP w0.127: U28.20 62.09,44.38 62.6,43.87 v1(63.08,43.87) ; U13.3 56.87,25.86 R71.1 57.32,26.66 57.34,26.67 R73.2 57.77,26.68 v1(57.77,27.26)
  BOTTOM w0.127: v1(57.77,27.26) 61.18,30.67 61.18,37.78 63.54,40.14 63.54,43.42 v1(63.08,43.87)
HUB_USBOC4: length 52.5
  TOP w0.127: R71.2 v1(55.95,27.19) ; R188.2 67.55,61.42 67.75,61.22 67.75,60.84 v1(67.65,60.74) 67.42,60.97 66.6,60.97 65.46,59.82 62.7,59.82 62.06,59.19 61.02,59.19 60.84,59 U28.40
  BOTTOM w0.127: v1(67.65,60.74) 67.65,57.54 69.2,55.99 69.2,53.09 68.57,52.45 68.57,48.45 65.14,45.02 65.14,40.19 62.06,37.12 62.06,31.66 62.56,31.16 62.56,30.43 62.06,29.92 60.89,29.92 59.6,28.63 59.6,27.67 58.66,26.73 56.41,26.73 v1(55.95,27.19)
HUB_USBPE0: length 11.7
  TOP w0.127: TP39.1 66.61,65.22 66.61,64.19 66.2,63.79 66.2,62.85 65.87,62.52 65.06,62.52 64.68,62.14 63.44,62.14 63.11,61.81 63.11,60.74 62.67,60.31 62.42,60.31 61.78,59.67 60.53,59.67 60.04,59.18 U28.42
HUB_USBPE1: length 55
  TOP w0.127: v1(51.5,47.84) 53.07,47.84 54.44,49.2 U28.2 ; U17.2 37.54,25.98 36.54,24.98 36.54,24.65 35.95,24.06 R75.1 35.51,23.52 34.96,24.07 v1(34.96,24.21)
  LAY4 w0.127: v1(35.09,30.82) 35.09,30.39 36.82,28.66 47.13,28.66 48.4,27.39 49.87,27.39 51.02,28.53 51.02,38.34 51.24,38.56 51.24,39.76 v1(50.96,40.04)
  BOTTOM w0.127: v1(34.96,24.21) 34.96,24.75 36.44,26.22 36.44,28.33 35.09,29.67 v1(35.09,30.82) ; v1(50.96,40.04) 51.65,40.72 51.65,47.29 51.5,47.44 v1(51.5,47.84)
HUB_USBPE2: length 45.2
  TOP w0.127: v1(50.33,46.84) 51.09,47.61 51.09,49.05 52.63,50.59 U28.76 ; U17.1 38.11,25.03 v1(38.09,25.05)
  LAY4 w0.127: v1(50.1,39.66) 50.38,39.38 50.38,39.17 50.49,39.06 50.49,29.43 50,28.94 38.14,28.94 v1(36.16,30.92)
  BOTTOM w0.127: v1(38.09,25.05) 37.43,25.71 37.43,27.87 36.16,29.14 v1(36.16,30.92) ; v1(50.1,39.66) 50.1,45.13 50.33,45.36 v1(50.33,46.84)
HUB_USBPE3: length 47.8
  TOP w0.127: R69.1 42.81,23.87 42.81,25.74 v1(43.09,26.02) 43.13,25.98 U12.2 ; v1(62.62,44.43) 62.34,44.71 62.34,49.84 62.8,50.3 62.8,50.82 62.63,50.99 U28.21
  LAY4 w0.127: v1(43.09,26.02) 43.34,25.77 45.66,25.77 45.99,25.43 53.09,25.43 53.23,25.57 v1(55.3,25.57)
  BOTTOM w0.127: v1(55.3,25.57) 55.3,28.09 56.17,28.96 59.09,28.96 60.95,30.82 60.95,37.87 63.22,40.15 63.22,42.79 62.62,43.39 v1(62.62,44.43)
HUB_USBPE4: length 64.6
  TOP w0.127: v1(68.24,60.32) 67.51,60.32 67.14,60.69 66.65,60.69 65.56,59.6 62.9,59.6 61.95,58.64 U28.39 ; U12.1 44.79,25.03 45.02,25.25 v1(45.02,26.25)
  LAY4 w0.127: v1(55.69,26.04) 53.38,26.04 53,25.66 46.09,25.66 45.5,26.25 v1(45.02,26.25)
  BOTTOM w0.127: v1(68.24,60.32) 67.96,60.04 67.96,57.56 69.43,56.09 69.43,52.99 68.8,52.36 68.8,48.29 65.72,45.22 65.72,40.45 62.29,37.02 62.29,31.75 62.79,31.26 62.79,30.18 62.31,29.69 61.04,29.69 59.85,28.51 59.85,27.53 58.78,26.45 56.1,26.45 v1(55.69,26.04)
I2C1_SCL: length 39.7
  TOP w0.127: J11.189 v1(63.62,27.82) ; R67.2 89.65,25.78 89.66,25.76 v1(90.06,25.76) 90.06,26.16 90.3,26.4 91.48,26.4 91.66,26.22 D10.2 96.1,25.78 J10.5
  LAY4 w0.127: v1(90.06,25.76) 89.67,26.14 87.54,26.14 85.03,28.66 63.94,28.66 63.62,28.34 v1(63.62,27.82)
I2C1_SDA: length 38.4
  TOP w0.127: J11.191 v1(64.12,28.23) ; J10.3 96.25,25.43 93.56,25.43 92.89,24.76 D9.2 91.11,24.21 90.22,24.21 90.06,24.38 v1(90.06,24.77) 89.66,24.77 89.65,24.76 R56.2
  LAY4 w0.127: v1(64.12,28.23) 64.33,28.43 84.9,28.43 87.44,25.89 88.94,25.89 v1(90.06,24.77)
I2C2_M2E_SCL: length 5.8
  TOP w0.127: v1(66.31,49.62) R126.2
  BOTTOM w0.127: v1(66.31,49.62) 65.92,49.62 65.89,49.59 63.26,49.59 62.65,50.2 J20.60
I2C2_M2E_SDA: length 5.8
  TOP w0.127: v1(66.51,50.12) 66.77,50.12 R128.2
  BOTTOM w0.127: v1(66.51,50.12) 66.12,50.12 65.84,49.84 63.44,49.84 62.58,50.7 J20.58
I2C2_M2M_SCL: length 25.2
  TOP w0.127: v1(15.38,44.41) 15.7,44.73 R109.2
  LAY3 w0.127: v1(7.25,44.58) 7.25,39.17 11.34,35.08 11.34,33.15 v1(12.5,32)
  LAY4 w0.127: v1(7.25,44.58) 7.68,44.58 7.96,44.86 14.92,44.86 v1(15.38,44.41)
  BOTTOM w0.127: J18.40 v1(12.5,32)
I2C2_M2M_SDA: length 27.1
  TOP w0.127: R112.2 15.58,45.7 v1(15.56,45.68)
  LAY3 w0.127: v1(6.82,45.88) 6.82,39.28 11.11,34.98 11.11,32.64 v1(12.25,31.5)
  LAY4 w0.127: v1(6.82,45.88) 7.73,45.88 8.22,45.4 15.28,45.4 v1(15.56,45.68)
  BOTTOM w0.127: J18.42 v1(12.25,31.5)
I2C2_SCL: length 134.2
  TOP w0.127: U41.6 72.19,71.01 72.45,70.75 73.57,70.75 74.21,71.38 74.21,72.32 74.31,72.43 U40.6 76.37,72.43 v1(76.39,72.45) ; J11.232 74.38,38.94 75.7,40.27 v1(76.36,40.27) ; R234.2 68.89,69.11 70.07,70.29 73.13,70.29 73.38,70.04 v1(73.77,70.04) ; Q21.2 36.76,54.93 36.83,54.87 R141.2 37.81,54.33 37.81,52.48 v1(38.09,52.2) ; v1(18.88,44.03) 17.86,44.03 R109.1 ; D22.2 67.77,48.46 67.73,48.5 R126.1 67.73,49.16 v1(67.61,49.27)